# Allegro board reServer industrial J401 Carrier Board v11.brd (continued)
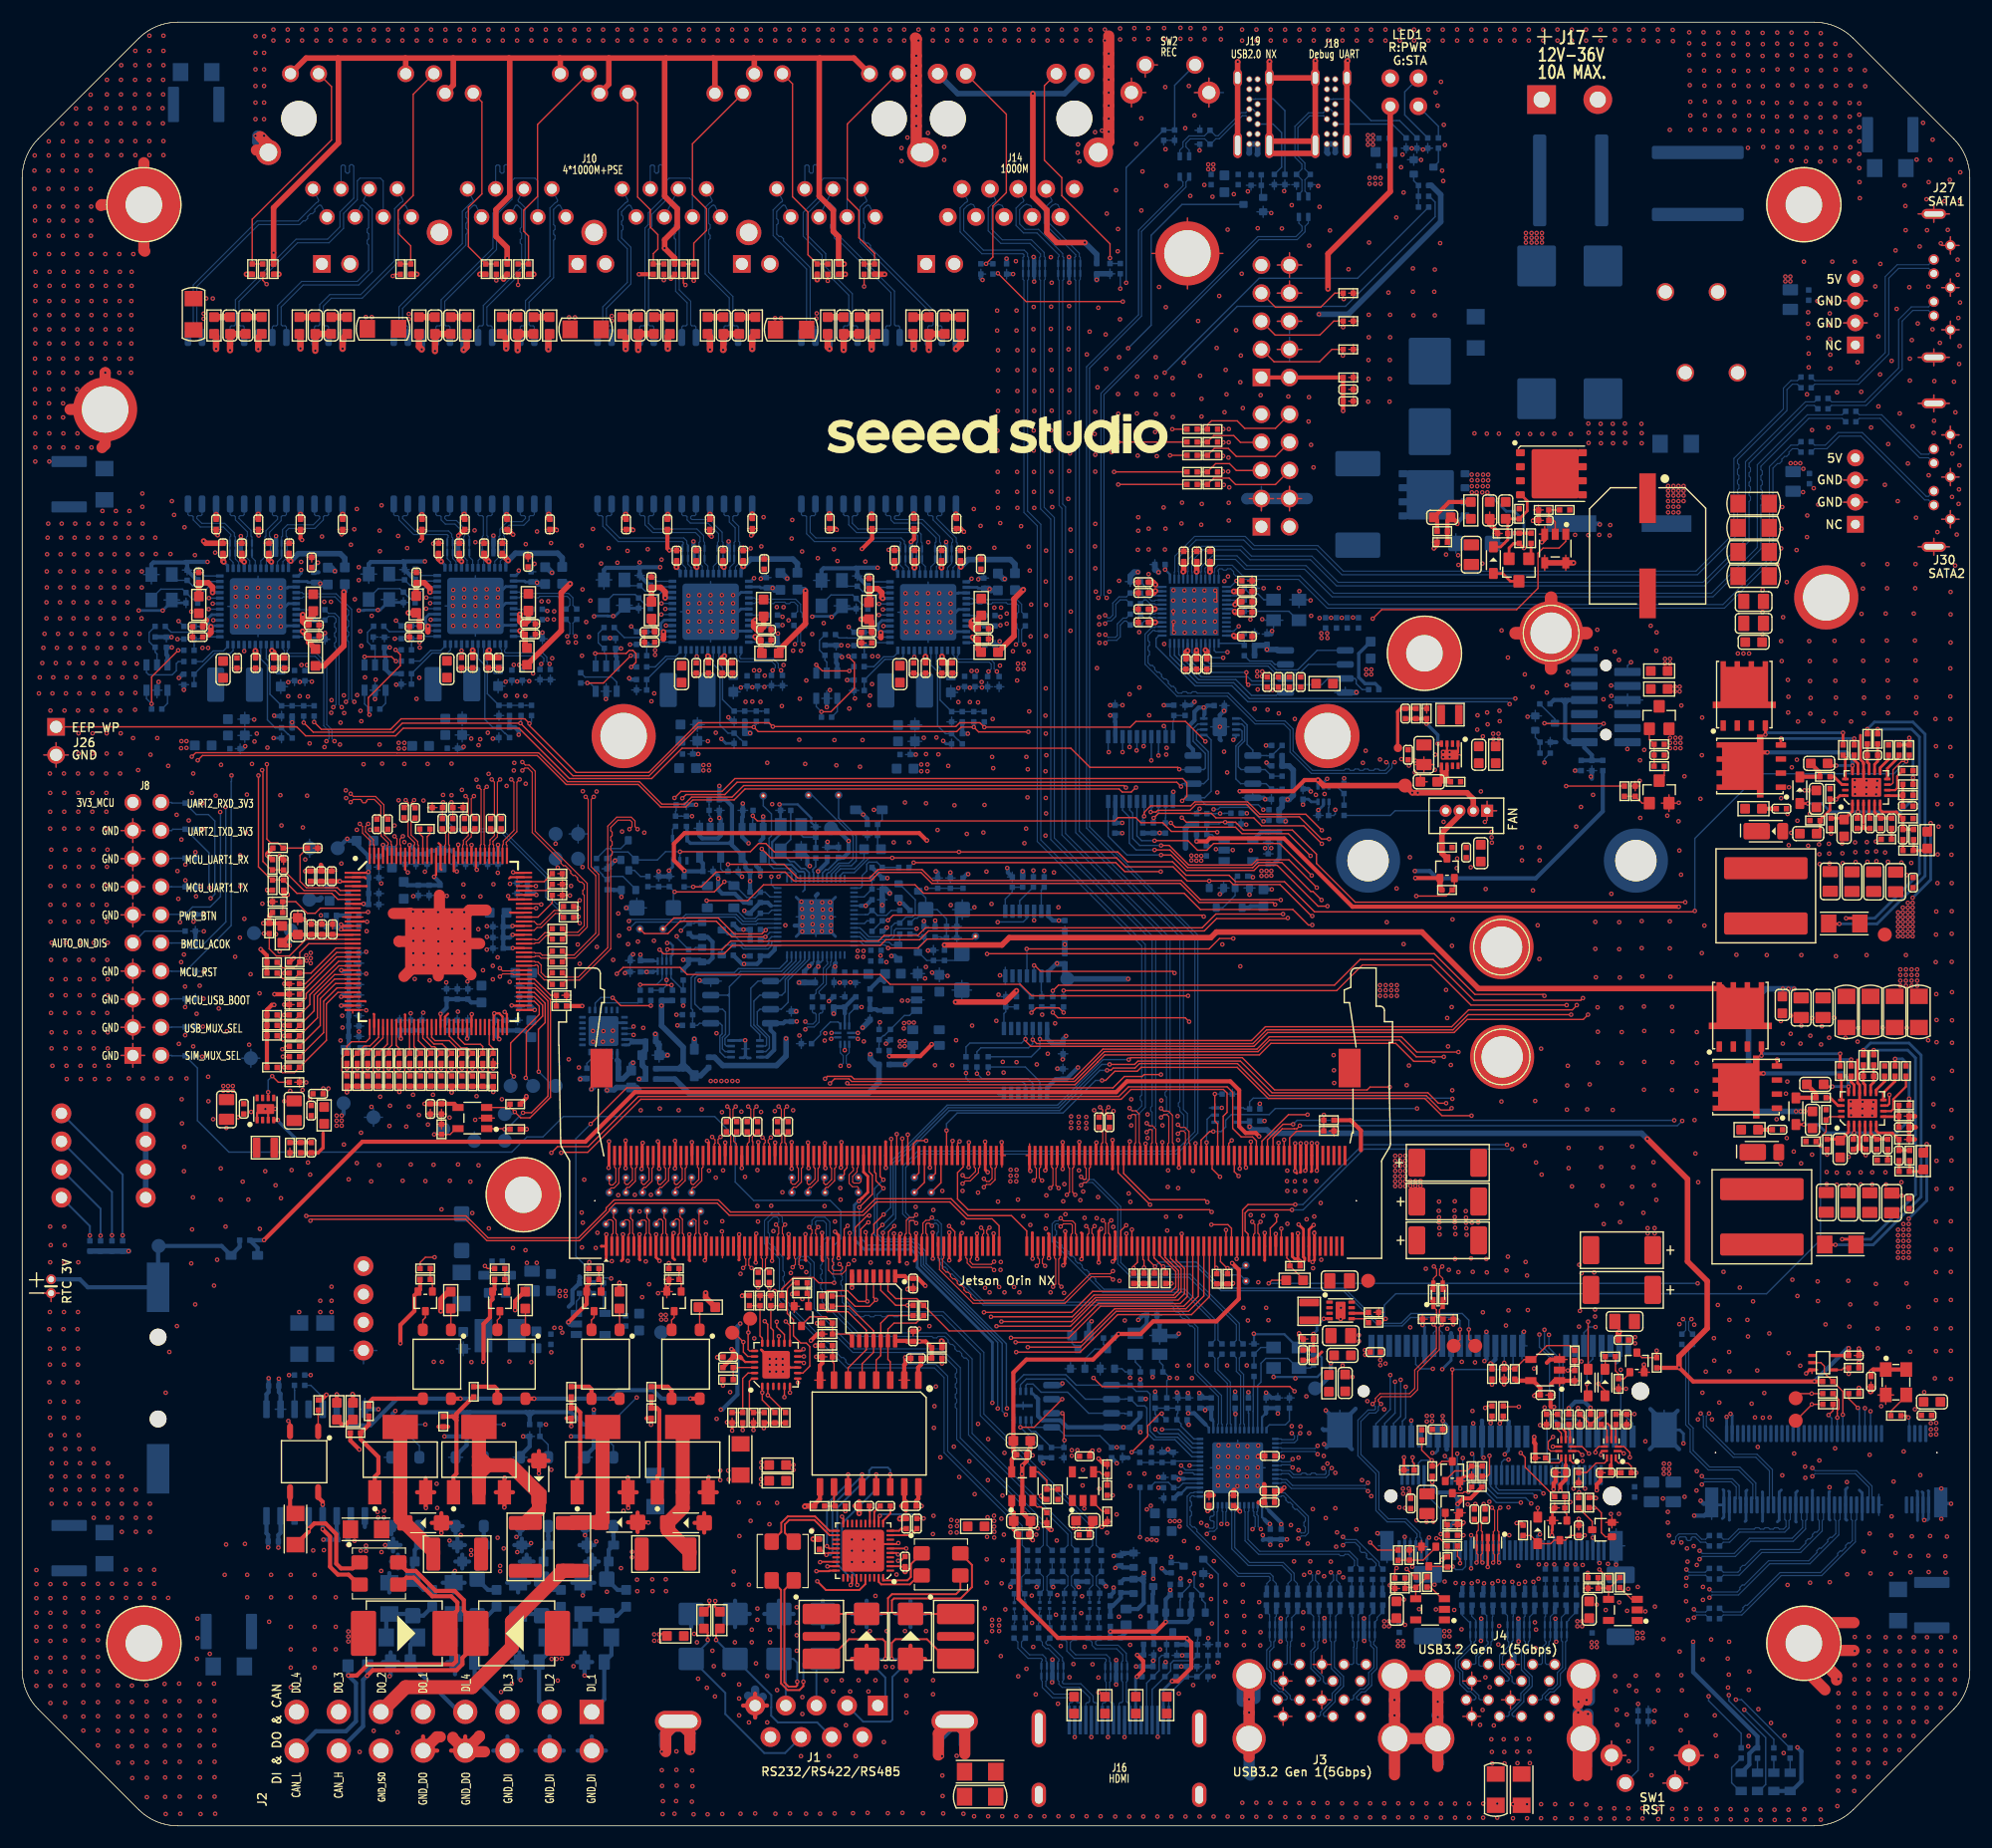
[diagram p0: board, top side]
## Routing (per net, layer and track width the routed paths; a pad name or vN(x,y) marks a point on that pad's centre or on a via; arc(x,y) is an arc through that point) (continued)
VPTX_1V22: length 3.3
  TOP w0.508: v1(66.26,108.97) 66.1,108.81 66.1,108.37 66.37,108.1 C478.1 67,108.35 FB23.1
  BOTTOM w0.254: U48.20 v1(66.26,108.97)
W_DISABLE1#_3V3: length 22.8
  TOP w0.127: R293.2 126.47,33.95 v1(127.38,33.04) 127.38,32.99 127.42,32.95 R294.2 127.86,32.51 128.29,32.94 Q26.3 129.24,40.85 129.24,40.85 v1(129.24,41.24)
  BOTTOM w0.127: v1(129.24,41.24) 134.22,41.24 134.72,41.75 J5.20 ; J6.8 126.18,32.8 126.43,33.04 v1(127.38,33.04)
W_DISABLE2#: length 3.6
  TOP w0.127: Q25.3 130.18,30.07 130.29,30.18 v1(130.68,30.18) 130.99,30.48 R306.2
  BOTTOM w0.127: J6.26 v1(130.68,30.18)
WIFI_EN: length 3.9
  TOP w0.127: R307.2 R305.1 130.54,32.07 129.45,32.07 128.6,31.22 Q26.1
XTALO: length 3.1
  BOTTOM w0.127: R48.1 C29.1 111.92,43.23 X1.1
YELLOW_LED: length 21
  TOP w0.127: v1(98.3,141.68) 98.3,142.97 93.95,147.32 93.95,148.95 92.37,150.52 92.37,157.26 J14.13
  BOTTOM w0.127: R253.2 D99.2 v1(98.3,141.68)
N6173625: length 2.5
  BOTTOM w0.127: U76.22 102.29,111.16 101.36,112.1 101.36,112.14 R610.1
N6174051: length 1.6
  TOP w0.127: R611.1 109.74,112.51 v1(109.73,112.51)
  BOTTOM w0.127: U76.37 109.19,111.96 v1(109.73,112.51)
N6182664: length 1.6
  BOTTOM w0.127: R609.1 110.44,110.76 U76.40
N6182668: length 5.4
  BOTTOM w0.127: R609.2 C560.1 114.46,109.76 115.27,108.95 X7.3
N6182676: length 5
  BOTTOM w0.127: X7.1 112.2,110.8 111.68,111.32 110.96,111.32 C559.1 109.76,111.16 U76.39
N6183319: length 3.5
  BOTTOM w0.127: C554.1 R608.1 110.25,106.86 U76.1
N6184499: length 1.3
  BOTTOM w0.127: R454.2 LED4.1
N6184581: length 1.3
  BOTTOM w0.127: R607.2 LED5.1
N6199925:
  vias: v1(148.45,105.46) v1(148.45,105.03) v1(148.91,105.46) v1(148.91,105.03) v1(159.33,140.01) v1(159.33,139.58) v1(159.78,140.01) v1(159.78,139.58)
N6201040:
  vias: v1(149.34,102.95) v1(149.34,102.52) v1(149.78,102.95) v1(149.78,102.52) v1(159.81,123.14) v1(160.24,123.14) v1(160.67,123.14) v1(160.95,122.63)
N6202757: length 3.6
  TOP w0.127: R617.1 C579.2 R613.2 147.04,98.17 Q53.1
N6202805: length 1.5
  TOP w0.127: Q55.3 148.39,94.92 R617.2
N6202859: length 2.5
  TOP w0.127: R619.2 R621.1 146.38,92.42 Q55.1
N21846749: length 2.8
  TOP w0.107: U63.100 42.61,88.62 42.54,88.69 42.54,88.98 42.95,89.38 42.95,89.77 C393.1
N21846769: length 2.8
  TOP w0.107: C394.1 42.68,89.77 42.68,89.49 42.27,89.09 42.27,88.69 42.21,88.62 U63.101
N21846839: length 2.8
  TOP w0.107: U63.106 40.21,88.62 40.14,88.69 40.14,88.94 40.58,89.38 40.58,89.77 C391.1
N21846859: length 2.8
  TOP w0.107: C392.1 40.32,89.77 40.32,89.49 39.87,89.05 39.87,88.69 39.81,88.62 U63.107
N21847200: length 11.2
  TOP w0.127: U63.16 28.36,80.13 28.36,80.12 28.16,80.12 25.65,80.12 24.14,78.61 22.98,78.61 22.33,79.25 R518.2 v1(21.85,80.63)
  BOTTOM w0.127: v1(21.85,80.63) 21.81,80.67 TP67.1
N21849155: length 2.6
  TOP w0.107: U63.110 38.61,88.62 38.54,88.69 38.54,89.73 C395.2
N21849158: length 2.6
  TOP w0.107: C396.2 38.27,89.81 38.27,88.69 38.21,88.62 U63.111
N21849172: length 3.8
  TOP w0.127: R523.1 47.9,83.41 46.61,82.13 U63.86
N21849220: length 34.3
  TOP w0.107: C402.1 65.85,63.98 65.85,64.76 v1(65.6,65.01) ; v1(43.17,76.75) 43.41,76.99 44.32,76.99 44.39,76.93 U63.73
  LAY4 w0.084: v1(65.6,65.01) 65.86,65.27 65.86,65.38 65.62,65.63 65.32,65.63 65.19,65.5 64.88,65.5 64.76,65.63 64.43,65.63 64.3,65.5 64,65.5 63.87,65.63 54.3,65.63 48.57,71.35 48.57,74.94 46.5,77.01 43.43,77.01 v1(43.17,76.75)
N21849223: length 34.5
  TOP w0.107: v1(66.36,65.01) 66.12,64.76 66.12,63.98 C403.1 ; v1(43.17,77.5) 43.41,77.26 44.32,77.26 44.39,77.33 U63.74
  LAY4 w0.084: v1(66.36,65.01) 66.1,65.27 66.1,65.48 65.72,65.86 54.4,65.86 48.81,71.45 48.81,75.03 46.6,77.24 43.43,77.24 v1(43.17,77.5)
N21849423: length 4.3
  TOP w0.107: R521.2 48.56,82.72 48.07,82.72 46.81,81.46 46.53,81.46 46.26,81.73 U63.85
N21849426: length 4.4
  TOP w0.107: R520.2 48.55,82.45 48.18,82.45 46.92,81.19 46.53,81.19 46.26,80.93 U63.83
N21849605: length 3
  TOP w0.107: U63.80 46.31,79.73 46.37,79.79 46.69,79.79 47.35,80.45 47.58,80.45 R522.2
N21849608: length 3
  TOP w0.107: U63.81 46.31,80.13 46.37,80.06 46.58,80.06 47.23,80.72 47.54,80.72 R524.2
N21849611: length 2.8
  TOP w0.107: R525.2 47.56,78.41 46.89,78.41 46.72,78.59 46.37,78.59 46.31,78.53 U63.77
N21849614: length 2.8
  TOP w0.107: U63.78 46.3,78.93 46.37,78.86 46.83,78.86 47,78.68 47.54,78.68 R526.2
N21849819: length 2.5
  TOP w0.127: U63.116 36.21,89.37 35.93,89.65 R519.1
N21849822: length 2.5
  TOP w0.127: U63.115 36.61,89.4 36.86,89.65 R519.2
N21850889: length 8.6
  TOP w0.127: R485.2 26.94,72.32 26.94,74.75 28.32,76.13 U63.26
N21850892: length 9
  TOP w0.127: R486.2 27.24,71.69 27.24,74.52 28.45,75.73 U63.27
N21852957: length 3.4
  TOP w0.127: v1(37.23,62.48) R529.1 38.67,62.48 39.2,63.01 U65.5
  BOTTOM w0.127: v1(37.23,62.48) 37.72,62.97 TP70.1
N21859538: length 10.1
  TOP w0.127: v1(44.44,67.72) 44.14,68.02 44.14,70.74 46.73,73.32 46.73,74.07 46.27,74.53 U63.67
  BOTTOM w0.127: v1(44.44,67.72) 44.14,67.42 TP61.1
N21859541: length 10.2
  TOP w0.127: v1(45.51,67.59) 45.56,67.64 45.56,71.7 47.03,73.17 47.03,74.17 46.27,74.93 U63.68
  BOTTOM w0.127: v1(45.51,67.59) 46.17,66.93 TP62.1
N21859544: length 10.8
  TOP w0.127: U63.69 46.27,75.33 47.26,74.34 47.26,72.59 46.65,71.98 46.65,68.18 v1(46.68,68.15)
  BOTTOM w0.127: TP63.1 47.96,66.87 v1(46.68,68.15)
N21918247: length 3.9
  TOP w0.107: C389.1 34.88,90.74 34.88,89.43 35.47,88.84 35.47,88.69 35.41,88.62 U63.118
N21918268: length 3.8
  TOP w0.107: C390.1 35.15,90.71 35.15,89.54 35.74,88.95 35.74,88.69 35.81,88.62 U63.117
N21918359: length 3.7
  TOP w0.107: R527.2 47.49,76.45 47.18,76.45 46.63,77 46.63,77.68 46.52,77.79 46.37,77.79 46.31,77.73 U63.75
N21918364: length 3.7
  TOP w0.107: R528.2 47.53,76.72 47.29,76.72 46.9,77.12 46.9,77.8 46.63,78.06 46.37,78.06 46.31,78.13 U63.76
N21923392: length 2.8
  TOP w0.107: U63.124 33.01,88.62 33.07,88.69 33.07,88.83 32.44,89.46 32.44,89.66 C387.1
N21923407: length 2.8
  TOP w0.107: C388.1 32.71,89.72 32.71,89.57 33.34,88.94 33.34,88.69 33.41,88.62 U63.123
N25918036: length 3.7
  TOP w0.127: TP34.1 81.53,58.15 J9.116
N25918043: length 2.2
  TOP w0.127: J9.114 81.03,59 TP35.1
N25918050: length 3.7
  TOP w0.127: TP37.1 83.03,58.12 J9.122
N25918057: length 2.1
  TOP w0.127: TP38.1 82.53,58.97 J9.120
N25946651: length 3.6
  BOTTOM w0.127: R3.1 127.98,153.58 LED1.4
N25946676: length 1.9
  BOTTOM w0.127: Q1.3 127.98,150.35 R3.2
N26055734: length 3.2
  BOTTOM w0.152: R107.1 71.71,88.9 71.71,88.9 C75.1 70.59,89.35 70.4,89.55 X2.1
N26086243: length 2.9
  BOTTOM w0.127: R117.1 R125.1 76.08,83.95 U23.31
N26086803: length 4.7
  BOTTOM w0.127: R128.1 78.54,82.73 78.1,82.28 77.28,82.28 76.84,82.73 R129.1 76.42,82.35 76.21,82.35 76.2,82.35 U23.35
N26280660: length 9.8
  BOTTOM w0.127: U23.17 69.92,86.06 69.47,86.51 67.9,86.51 67.49,86.92 67.49,89.25 67.71,89.47 67.71,91.44 66.97,92.18 TP3.1
N26376527: length 2.7
  BOTTOM w0.127: U17.3 118.79,93.94 R94.1 119.45,93.28 R90.1
N26991327: length 2.5
  TOP w0.127: R237.1 168.85,37.47 170.25,38.87 OSC2.3
N27061287: length 4.8
  LAY4 w0.508: 110.3,153.49 110.89,152.91 J19.A9 J19.B4 111.7,152.89 112.16,153.34 ; 110.3,156.47 110.78,156.94 J19.A4 J19.B9 111.66,156.94 112.13,156.47
  BOTTOM w0.127: R273.1 111.04,149.49
  vias: v1(107.18,150.14) v1(107.18,149.71) v1(107.64,150.14) v1(107.64,149.71)
N27061303: length 2.1
  BOTTOM w0.127: Q23.1 111.97,147.32 R272.1 111.97,149.19 R273.2
N27061452: length 10.3
  LAY4 w0.084: J19.B7 111.32,155.27 111.32,154.94 110.89,154.51 J19.A7
  BOTTOM w0.107: J19.A7 110.58,154.55 110.26,154.55 108.18,152.46 107.88,152.46 107.38,151.97 D58.2 106.86,152.45 105.55,152.45 105.17,152.06 105.17,151.72 105.46,151.43 L24.4
N27061465: length 10
  BOTTOM w0.107: L24.1 104.61,151.43 104.9,151.72 104.9,152.18 105.44,152.72 106.84,152.72 D57.2 107.83,152.73 108.07,152.73 110.15,154.82 110.57,154.82 J19.A6 111.19,155.14 J19.B6
N27077790: length 14.8
  TOP w0.254: Q44.2 134.36,115.48 134.78,115.9 R371.1 135.28,115.89 v1(135.7,115.47)
  TOP w0.381: R373.1 127.86,117.94 C248.1 128.96,119.64 R375.1
  BOTTOM w0.254: v1(132.4,120.5) 134.1,118.8 134.84,118.8 135.7,117.94 v1(135.7,115.47)
  vias: v1(130.99,122.11) v1(130.99,121.6) v1(131,121.06) v1(131,120.5) v1(131.43,120.5) v1(131.51,122.1) v1(131.51,121.59) v1(131.48,121.06) v1(131.94,120.5) v1(132.02,122.1) v1(132.02,121.59) v1(131.99,121.06) v1(132.45,121.06) v1(132.47,122.1) v1(132.47,121.59)
N27077930: length 3.9
  TOP w0.254: R370.1 135.79,116.82 135.79,116.82 R371.2 v1(134.87,116.82)
  BOTTOM w0.254: v1(134.87,116.82) 133.93,115.89 D44.2
N27077935: length 1.5
  TOP w0.254: Q44.1 136.34,114.71 R370.2
N27077990: length 2.6
  TOP w0.254: D89.1 133.78,113.18 134.49,112.47 Q44.3
N27078074: length 7.5
  TOP w0.254: Q46.4 135.46,120.28 136,119.74 136,118.83 R376.2 134.77,118.11 134.77,118.11 C250.2 134.24,117.93 R372.1 134.24,116.22 133.6,115.58 D89.2
N27107328: length 3.6
  BOTTOM w0.127: Q7.3 54.77,89 54.09,88.31 52.8,88.31 R108.2
N27107353: length 4.6
  BOTTOM w0.127: Q8.1 55.45,84.63 54.29,85.8 53.14,85.8 R123.1 52.81,85.52 52.46,85.88 52.46,85.94 R108.1
N27107904: length 2
  BOTTOM w0.127: Q8.3 55.32,86.35 55.87,85.8 R119.1
N27110960: length 1.2
  BOTTOM w0.127: R96.2 58.78,90.06 U21.4
N27125534: length 1.6
  TOP w0.254: R78.1 121.57,46.33 U14.6
N28330871: length 1.7
  BOTTOM w0.127: R131.1 76.36,81.79 76.12,81.55 U23.37
N28376666: length 3.4
  TOP w0.127: R225.2 R224.1 92.59,31.23 91.84,31.99 U36.4
N28376672: length 1.8
  TOP w0.127: R236.1 92.09,28.82 91.72,28.82 91.33,29.21 U36.3
N28376840: length 3.8
  BOTTOM w0.381: Q20.1 100.35,21.07 R254.1 99.28,20.61 98.55,19.88 R399.2 R398.1
N28376909: length 2.3
  TOP w0.127: R218.2 R222.1 97.61,31.76 97.37,31.99 U35.4
N28376915: length 1.8
  TOP w0.127: U35.3 96.81,29.21 97.6,28.42 R233.1
N28376973: length 1.4
  BOTTOM w0.381: R258.2 99.76,17.51 D48.1
N28376991: length 9.3
  BOTTOM w0.127: Q18.1 108.08,22.75 R257.1 R259.1
N28388800: length 3.4
  TOP w0.381: D40.2 160.65,94.81 R191.2 162.44,95.2 C142.1
N28388966: length 29.7
  TOP w0.254: R198.1 v1(166.74,99.11) ; v1(164.2,81.51) 163.28,81.51 R366.1
  BOTTOM w0.254: v1(164.2,81.51) 167.61,81.51 171.95,85.85 171.95,98.66 170.86,99.75 167.38,99.75 v1(166.74,99.11)
N28389221: length 1.3
  TOP w0.381: R368.2 C239.1
N28389223: length 2.3
  TOP w0.254: R157.2 171.98,88.14 R165.1 170.91,88.17 R173.1
N28389375: length 1
  TOP w0.254: R165.2 169.95,88.15 C124.1
N28389559: length 1
  TOP w0.254: C125.2 168.93,89.17 R163.1
N28391241: length 3.4
  TOP w0.381: D36.2 160.3,65.8 R147.2 162.09,66.19 C95.1
N28391410: length 29.7
  TOP w0.254: R158.1 v1(166.38,70.1) ; R112.1 162.92,52.5 v1(163.85,52.5)
  BOTTOM w0.254: v1(163.85,52.5) 167.26,52.5 171.59,56.84 171.59,69.65 170.5,70.74 167.02,70.74 v1(166.38,70.1)
N28391647: length 1.3
  TOP w0.381: R114.2 C81.1
N28391649: length 2.3
  TOP w0.254: R183.2 171.62,59.14 R184.1 170.55,59.16 R186.1
N28391801: length 1
  TOP w0.254: C131.1 169.6,59.14 R184.2
N28392021: length 1
  TOP w0.254: C123.2 168.57,60.16 R170.1
N28495699: length 4.1
  TOP w0.102: TP17.1 75.57,57.66 75.47,57.76 75.02,57.76 74.72,58.06 74.72,58.84 75.12,59.23 75.12,59.43 75.03,59.52 J9.90
N28495700: length 2.2
  TOP w0.127: TP16.1 74.29,58.88 74.29,59.21 74.53,59.45 J9.88
N28495701: length 4
  TOP w0.102: J9.92 75.53,59.52 75.44,59.43 75.44,59.1 75.05,58.7 75.05,58.19 75.16,58.08 75.65,58.08 75.81,58.24 75.81,58.47 75.69,58.6 TP7.1
N28781292: length 3
  BOTTOM w0.127: R116.2 R115.2 104.07,99.91 103.99,99.82 U18.10
N28788303: length 1.3
  BOTTOM w0.127: R65.1 LED3.1
N28848879: length 2.2
  BOTTOM w0.127: R243.1 16.47,112.95 U38.48
N28849052: length 1.8
  BOTTOM w0.127: R230.1 26,107.22 25.77,107.45 U38.24
N28849706: length 9.1
  BOTTOM w0.127: R210.2 25.88,101.22 25.88,101.22 R211.2 R209.2 C153.1 22.39,102.27 22.39,105.16 22.07,105.48 U38.29
N28850075: length 10
  BOTTOM w0.127: U38.30 21.57,105.45 22.16,104.85 22.16,99.95 22.88,99.23 R207.1 23.99,98.67 24.03,98.67 R208.2
N28892285: length 1.9
  TOP w0.127: Q27.1 26.75,37.11 26.76,37.12 R318.2
N28892304: length 2.1
  TOP w0.381: Q27.3 24.21,28.72 R290.2
N28902831: length 6.5
  BOTTOM w0.381: R27.1 53.78,18.99 D14.2 52.67,19.15 R26.1 50.43,18.87 R14.2
N28914220: length 12.9
  TOP w1.27: F2.1 60.3,24.77 58.33,26.74 D61.2 59.69,28.74 Q28.2 Q28.4
N28914268: length 2.1
  TOP w0.127: Q34.1 61.23,46.76 R340.2
N28914298: length 1.8
  TOP w0.127: Q34.2 58.69,45.71 58.92,45.94 Q39.3
N28914302: length 2.7
  TOP w0.381: Q34.3 58.69,39.35 58.35,39.69 R320.1
N28914304: length 9.3
  TOP w0.381: R320.2 R311.1 57.36,37.76 57.57,37.54 57.57,31.74 57.39,31.56 Q28.1
N28914685: length 2.2
  TOP w0.127: R354.2 59.36,49.92 59.36,49.92 R346.1 59.55,49.19 Q39.1
N28915550: length 6.5
  BOTTOM w0.381: R25.1 47.88,18.99 D13.2 46.78,19.15 R24.1 44.54,18.87 R13.2
N28916246: length 6.5
  BOTTOM w0.381: R12.2 38.72,18.87 R22.1 40.96,19.15 D12.2 42.07,18.99 R23.1
N28916471: length 6.5
  BOTTOM w0.381: R11.2 32.9,18.87 R20.1 35.15,19.15 D11.2 36.25,18.99 R21.1
N28917094: length 11.3
  TOP w1.27: F3.1 49.78,27.43 D64.2 52.45,27.57 Q29.2 Q29.4
N28917133: length 2.2
  TOP w0.127: Q35.1 53.99,46.59 53.97,46.6 R341.2 53.97,47.05
N28917163: length 1.8
  TOP w0.127: Q35.2 51.45,45.71 51.68,45.94 Q40.3
N28917167: length 2.8
  TOP w0.381: R321.1 51.22,39.69 51.45,39.46 Q35.3
N28917169: length 9.3
  TOP w0.381: R321.2 R312.1 50.03,37.76 50.42,37.37 50.42,31.83 50.15,31.56 Q29.1
N28917235: length 2.2
  TOP w0.127: Q40.1 52.31,49.19 R347.1 52.12,49.92 52.13,49.92 R355.2
N28918033: length 17.7
  TOP w1.27: 41.28,33.36 42.05,32.59 ; 41.28,33.36 41.28,32.59 ; 41.28,33.36 Q30.4 ; 42.05,32.59 41.28,32.59 ; 42.05,32.59 41.28,31.82 ; 42.05,32.59 44.16,32.59 46.7,30.05 D62.2 46.7,28.59 F4.1 ; 41.28,31.82 41.28,32.59 ; 41.28,31.82 Q30.2
N28918072: length 2.2
  TOP w0.127: 45.46,47.05 R342.2 45.46,46.6 45.48,46.59 Q36.1
N28918102: length 1.8
  TOP w0.127: Q36.2 42.94,45.71 43.17,45.94 Q41.3
N28918106: length 3.1
  TOP w0.381: 42.93,38.62 Q36.3 42.94,39.44 42.69,39.69 R322.1
N28918108: length 11.3
  TOP w0.381: 39.25,36.95 39.2,37 39.08,37 ; 39.25,36.95 39.25,36.65 ; 39.25,36.95 39.25,37.16 ; 39.25,36.65 39.25,31.83 38.98,31.56 Q30.1 ; 39.25,36.65 38.9,37 ; 39.08,37 39.25,37.16 ; 39.08,37 38.9,37 ; 38.9,37 R313.1 ; R322.2 40.75,38.76 39.25,37.26 39.25,37.16
N28918174: length 2.2
  TOP w0.127: R356.2 43.62,49.92 43.61,49.92 R348.1 43.8,49.19 Q41.1
N28918232: length 12.7
  TOP w1.27: Q31.4 Q31.2 34.17,27.8 D63.2 37.15,24.81 F5.1
N28918273: length 2.2
  TOP w0.127: 38.73,47.05 R343.2 38.73,46.6 38.75,46.59 Q37.1
N28918303: length 1.8
  TOP w0.127: Q42.3 36.44,45.94 36.21,45.71 Q37.2
N28918307: length 5.3
  TOP w0.381: R323.1 31.33,38.24 31.7,38.61 Q37.3
N28918309: length 8
  TOP w0.381: R323.2 31.33,36.25 R314.1 30.58,34.94 32.19,33.33 32.19,31.89 31.87,31.56 Q31.1
N28918375: length 2.2
  TOP w0.127: Q42.1 37.07,49.19 R349.1 36.88,49.92 36.89,49.92 R357.2
N28955699: length 3.8
  BOTTOM w0.127: LED2.2 155.21,3.15 154.47,3.89 154.47,5.26 155.33,6.12 R59.1
N29118590: length 7.7
  TOP w0.127: v1(141.19,26.26) 140.67,26.26 C222.1 139.88,26.24 139.45,25.82 Q33.3 138.43,25.82 138.12,25.5 D67.1 136.95,25.6 136.31,26.24 R317.2
  BOTTOM w0.127: v1(141.19,26.26) 140.93,26 J6.67
N29142445: length 2.2
  TOP w0.127: Q33.1 139.58,28.17 139.4,28.34 R326.1 R327.1
N29154261: length 11.9
  LAY4 w0.084: J18.B7 118.33,155.27 118.33,154.94 117.91,154.51 J18.A7
  BOTTOM w0.107: J18.A7 117.61,154.54 116.35,154.54 115.28,153.47 115.28,150.9 115.91,150.28 115.91,149.72 D56.2 115.92,148.75 115.92,147.73 116.22,147.43 L25.4
N29154278: length 11.6
  BOTTOM w0.107: J18.B6 118.21,155.14 J18.A6 117.57,154.81 116.24,154.81 115.01,153.58 115.01,150.79 115.64,150.16 115.64,149.72 D55.2 115.65,148.74 115.65,147.73 115.37,147.45 L25.1
N29252447: length 3.8
  BOTTOM w0.127: U29.8 73.93,72.45 73.74,72.64 73.03,72.64 72.14,71.75 72.14,71.5 R160.1
N29290663: length 3.1
  BOTTOM w0.127: U24.5 58.63,76.62 R155.1 R154.1
N29342090: length 1.9
  TOP w0.127: R319.2 138.1,32.81 138.89,32.81 139.08,33 U45.8
N29343428: length 3.2
  TOP w0.127: U46.8 143.2,33.01 142.98,32.78 142.22,32.78 141.36,31.93 R330.2
N29431119: length 1.3
  TOP w0.127: 143.03,41.16 D70.2 143.05,41.29 R441.1
N29450122: length 2.3
  TOP w0.381: v1(132.69,41.78) 132.82,41.65 R309.1
  BOTTOM w0.381: v1(132.69,41.78) 132.74,41.78 133.12,42.16 J5.24
N29505719: length 2.6
  TOP w0.178: U42.9 80.26,26.26 C209.1
N29505724: length 1.9
  TOP w0.178: U42.11 77.8,27.56 78.45,28.22 C212.1
N29505727: length 5.5
  TOP w0.178: v1(77.5,28.02) 77.4,27.92 U42.12 ; C209.2 v1(81.46,27.78)
  BOTTOM w0.178: v1(81.46,27.78) 81.08,28.16 77.64,28.16 v1(77.5,28.02)
N29505736: length 1.8
  TOP w0.178: C212.2 77,28.37 U42.13
N29505798: length 1.5
  TOP w0.178: C210.2 79.43,26.85 79.24,26.66 U42.10
N29505822: length 1.6
  TOP w0.178: C213.2 76.56,28.45 76.6,28.41 U42.14
N29690994: length 6.6
  TOP w0.127: U47.8 74.98,44.18 74.72,44.44 73.67,44.44 73.66,44.45 R344.2 R345.2 72.66,46 71.19,46 70.42,45.24 Q52.3
N29691331: length 3.2
  TOP w0.127: R338.2 R335.2 73.22,41.95 73.36,41.81 U44.7
N29691473: length 2.7
  TOP w0.178: R300.1 R299.1 73.36,29 U44.10
N29726895: length 4.3
  TOP w0.381: v1(129.68,117.66) 129.68,117.78 129.22,118.24 C248.2 128.79,117.95 R373.2 R369.1
  BOTTOM w0.381: Q17.4 130.3,118.38 129.68,117.76 v1(129.68,117.66)
N29996219: length 1.9
  BOTTOM w0.127: R229.2 13.14,101.44 U37.1
N30008296: length 1.9
  TOP w0.127: R308.2 132.82,36.52 v1(132.69,36.39)
  BOTTOM w0.127: J5.25 132.72,36.36 v1(132.69,36.39)
N30008299: length 2
  TOP w0.127: R310.2 133.84,36.68 v1(133.52,36.37)
  BOTTOM w0.127: J5.23 v1(133.52,36.37)
N30018883: length 2.8
  BOTTOM w0.127: R67.2 R63.2 52.54,46.95 52.68,46.82 U9.4
N30018889: length 1.9
  BOTTOM w0.127: R66.1 50.36,47.68 50.08,47.4 U9.3
N30075251: length 2.5
  TOP w0.127: Q38.3 141.88,27.51 R329.1
N30075786: length 2.8
  TOP w0.127: v1(129.93,23.73) 129.93,24.13 129.7,24.36 R298.1
  BOTTOM w0.127: J6.23 v1(129.93,23.73)
N30078619: length 4
  TOP w0.127: R288.2 124.77,24 124.78,24.01 R292.1 126.59,24.01 127.75,25.17 Q24.1
N30121418: length 3.4
  TOP w0.127: Q48.1 145.28,40.93 144.76,40.41 R388.2 144.25,40.85 143.98,41.12 R441.2
N30132742: length 4.5
  TOP w0.127: R389.1 C305.1 67.66,45 67.88,44.78 U51.16
N30627968: length 2.9
  BOTTOM w0.127: U54.9 52.78,69.49 52.61,69.32 51.44,69.32 51.03,68.91 R421.2
N30628418: length 2.6
  BOTTOM w0.254: R424.1 52.01,68.45 R423.2 52.96,69.04 53.28,69.37 U54.8
N30655690: length 3
  BOTTOM w0.127: U57.8 88.72,73.4 88.88,73.57 R428.2 R427.2
N30656126: length 3.4
  BOTTOM w0.127: R429.2 R430.2 89.47,84.39 88.84,83.76 U6.8
N30659066: length 2.3
  BOTTOM w0.127: U6.13 92.09,84.57 R202.1
N30659137: length 1.9
  BOTTOM w0.127: R431.2 92.13,75.37 92.09,75.41 U6.2
N31122927: length 2.2
  BOTTOM w0.127: Q32.1 136.73,98.36 R435.1 R434.2
N31123236: length 2.7
  BOTTOM w0.127: R439.1 91.37,84.83 90.14,83.6 U6.10
N31123275: length 2.3
  BOTTOM w0.127: U6.5 90.14,75.99 R436.2
N31547889: length 1.4
  TOP w0.508: C415.1 v1(17.53,118.49)
  BOTTOM w0.508: v1(17.53,118.49) 17.53,119.45 T1.10
N31547933: length 1.4
  TOP w0.508: C410.1 21.34,118.08 v1(21.34,118.52)
  BOTTOM w0.508: T1.7 v1(21.34,118.52)
N31547957: length 1.4
  TOP w0.508: C409.1 25.15,118.08 v1(25.15,118.52)
  BOTTOM w0.508: T1.4 v1(25.15,118.52)
N31547983: length 1.4
  TOP w0.508: C408.1 v1(28.96,118.52)
  BOTTOM w0.508: v1(28.96,118.52) 28.96,119.45 T1.1
N31548037: length 19.9
  TOP w0.127: J10.A12 35.34,156.48 35.34,147.33 33.98,145.98 33.98,143.92 35.11,142.78 D97.2 R172.2
N31548067: length 21.6
  TOP w0.127: J10.A10 27.96,157.17 27.96,152.35 20.79,145.18 D100.2 R167.2
N31548125: length 1.4
  TOP w0.584: C411.1 R214.2
N31548127: length 1.4
  TOP w0.584: C412.1 R479.2
N31548129: length 1.4
  TOP w0.584: R480.2 C413.1
N31548131: length 1.5
  TOP w0.584: C414.1 R538.2
N31548197: length 5.8
  TOP w0.584: v1(18.79,133.35) C411.2 C412.2 ; C414.2 C413.2 v1(26.49,133.31)
  vias: v1(16.4,136.65) v1(16.4,136.2)
N31551974: length 2.2
  BOTTOM w0.127: R551.1 36.11,112.99 U30.48
N31551977: length 1.8
  BOTTOM w0.127: U30.24 45.41,107.49 45.64,107.26 R550.1
N31551981: length 9.1
  BOTTOM w0.127: U30.29 41.71,105.53 42.04,105.2 42.04,102.31 C424.1 R539.2 R548.2 45.52,101.26 45.52,101.26 R547.2
N31551983: length 10
  BOTTOM w0.127: R540.2 43.67,98.72 43.63,98.72 R549.1 42.53,99.27 41.81,99.99 41.81,104.89 41.21,105.49 U30.30
N31552042: length 1.9
  BOTTOM w0.127: U52.1 32.84,101.44 R556.2
N31552073: length 1.4
  TOP w0.508: v1(36.12,118.49) 36.12,118.09 C425.1
  BOTTOM w0.508: T2.10 v1(36.12,118.49)
N31552083: length 1.4
  TOP w0.508: C419.1 39.95,118.14 v1(39.95,118.52)
  BOTTOM w0.508: v1(39.95,118.52) 39.93,118.53 T2.7
N31552092: length 1.4
  TOP w0.508: C418.1 43.78,118.11 v1(43.78,118.49)
  BOTTOM w0.508: T2.4 43.74,118.53 v1(43.78,118.49)
N31552104: length 1.4
  TOP w0.508: C417.1 47.59,118.17 v1(47.59,118.52)
  BOTTOM w0.508: T2.1 47.55,118.56 v1(47.59,118.52)
N31552121: length 20.7
  TOP w0.127: J10.B12 46.58,153.75 46.58,147.25 45.33,146 45.33,144.1 45.76,143.67 D103.2 R553.2
N31552130: length 17.9
  TOP w0.127: J10.B10 41.55,155.78 41.55,147.47 40.33,146.26 40.33,142.71 D104.2 R554.2
N31552133: length 1.4
  TOP w0.584: C420.1 R542.2
N31552134: length 1.4
  TOP w0.584: C421.1 R543.2
N31552135: length 1.4
  TOP w0.584: C422.1 R544.2
N31552136: length 1.5
  TOP w0.584: R545.2 C423.1
N31552138: length 5.9
  TOP w0.584: v1(44.78,133.35) C422.2 C423.2 ; v1(37.3,133.28) C420.2 C421.2
  vias: v1(34.94,136.63) v1(34.94,136.17)
N31557341: length 2.2
  BOTTOM w0.127: U48.48 57.37,112.47 R576.1
N31557344: length 1.8
  BOTTOM w0.127: U48.24 66.67,106.97 66.9,106.74 R575.1
N31557348: length 9.1
  BOTTOM w0.127: U48.29 62.96,105 63.29,104.67 63.29,101.78 C461.1 R365.2 R573.2 66.78,100.73 R572.2
N31557350: length 10
  BOTTOM w0.127: R425.2 64.93,98.19 64.89,98.19 R574.1 63.78,98.75 63.06,99.47 63.06,104.37 62.46,104.97 U48.30
N31557409: length 4.4
  BOTTOM w0.127: U55.1 53.73,103.37 53.28,103.81 50.87,103.81 R581.2
N31557440: length 1.4
  TOP w0.508: C462.1 54.54,118.12 v1(54.54,118.52)
  BOTTOM w0.508: T3.10 v1(54.54,118.52)
N31557450: length 1.4
  TOP w0.508: v1(58.35,118.5) 58.35,118.12 C456.1
  BOTTOM w0.508: T3.7 v1(58.35,118.5)
N31557459: length 1.4
  TOP w0.508: C455.1 62.16,118.09 v1(62.16,118.52)
  BOTTOM w0.508: T3.4 v1(62.16,118.52)
N31557471: length 1.3
  TOP w0.508: v1(65.97,118.54) 65.97,118.17 C297.1
  BOTTOM w0.508: T3.1 v1(65.97,118.54)
N31557488: length 19.3
  TOP w0.127: R578.2 D10.2 60.69,143.02 61.84,144.17 61.84,146.13 60.57,147.4 60.57,152 J10.C12
N31557497: length 17.7
  TOP w0.127: R579.2 D71.2 57.03,142.08 57.45,142.5 57.45,143.79 56.76,144.48 56.76,146.05 55.62,147.2 55.62,155.68 J10.C10
N31557500: length 1.4
  TOP w0.584: C457.1 R567.2
N31557501: length 1.5
  TOP w0.584: R568.2 C458.1
N31557502: length 1.4
  TOP w0.584: C459.1 R569.2
N31557503: length 1.4
  TOP w0.584: C460.1 R570.2
N31557505: length 5.8
  TOP w0.584: C458.2 C457.2 63.37,133.41 v1(63.34,133.38) ; v1(55.67,133.38) C459.2 C460.2
  vias: v1(53.28,136.45) v1(53.28,136.02)
N31559971: length 2.2
  BOTTOM w0.127: U71.48 77.02,112.42 R600.1
N31559974: length 1.8
  BOTTOM w0.127: U71.24 86.33,106.92 86.56,106.69 R599.1
N31559978: length 9.1
  BOTTOM w0.127: U71.29 82.62,104.95 82.95,104.63 82.95,101.74 C501.1 R588.2 R597.2 86.43,100.69 86.43,100.69 R596.2
N31559980: length 10
  BOTTOM w0.127: R589.2 84.59,98.15 84.54,98.15 R598.1 83.44,98.7 82.72,99.42 82.72,104.32 82.12,104.92 U71.30
N31560039: length 1.9
  BOTTOM w0.127: U72.1 73.66,100.7 R605.2
N31560070: length 1.3
  TOP w0.508: v1(72.95,118.57) 72.95,118.18 C502.1
  BOTTOM w0.508: T4.10 v1(72.95,118.57)
N31560080: length 1.3
  TOP w0.508: v1(76.76,118.54) 76.76,118.2 C496.1
  BOTTOM w0.508: T4.7 v1(76.76,118.54)
N31560089: length 1.3
  TOP w0.508: C495.1 80.57,118.18 v1(80.57,118.56)
  BOTTOM w0.508: T4.4 v1(80.57,118.56)
N31560101: length 1.3
  TOP w0.508: v1(84.38,118.54) 84.38,118.2 C494.1
  BOTTOM w0.508: T4.1 v1(84.38,118.54)
N31560118: length 21.1
  TOP w0.127: J10.D12 74.57,153.8 74.57,147.02 75.61,145.98 75.61,143.51 77.02,142.1 D73.2 R602.2
  BOTTOM w0.508: 79.11,158.29 J10.D12
N31560127: length 19.5
  TOP w0.127: R603.2 D74.2 71.01,141.98 71.01,145.82 69.61,147.22 69.61,157.43 J10.D10
N31560130: length 1.4
  TOP w0.584: C497.1 R591.2
N31560131: length 1.5
  TOP w0.584: R592.2 C498.1
N31560132: length 1.4
  TOP w0.584: C499.1 R593.2
N31560133: length 1.4
  TOP w0.584: R594.2 C500.1
N31560135: length 5.7
  TOP w0.584: v1(81.94,133.38) C497.2 C498.2 ; v1(74.24,133.38) C499.2 C500.2
  vias: v1(71.77,136.22) v1(71.8,136.68)
N31600369: length 8.2
  TOP w0.305: 128.29,94.35 R622.2 128.81,94.6 ; 128.29,94.35 128.54,94.6 ; 128.29,94.35 C581.1 128.25,94.73 128.25,95.33 ; 128.58,95 128.37,95.21 ; 128.58,95 128.58,95.23 ; 128.58,95 128.58,94.65 128.54,94.6 ; 128.25,95.33 128.36,95.23 ; 128.25,95.33 U77.5 ; 128.58,95.23 128.36,95.23 ; 128.58,95.23 128.75,95.4 ; 128.36,95.23 128.36,94.79 128.54,94.6 ; 128.81,94.6 128.75,94.66 128.75,95.4 ; 128.81,94.6 128.54,94.6 ; 128.54,94.6 127.61,94.6 ; 128.75,95.4 U77.6